# KiCad board Marble.kicad_pcb (continued)
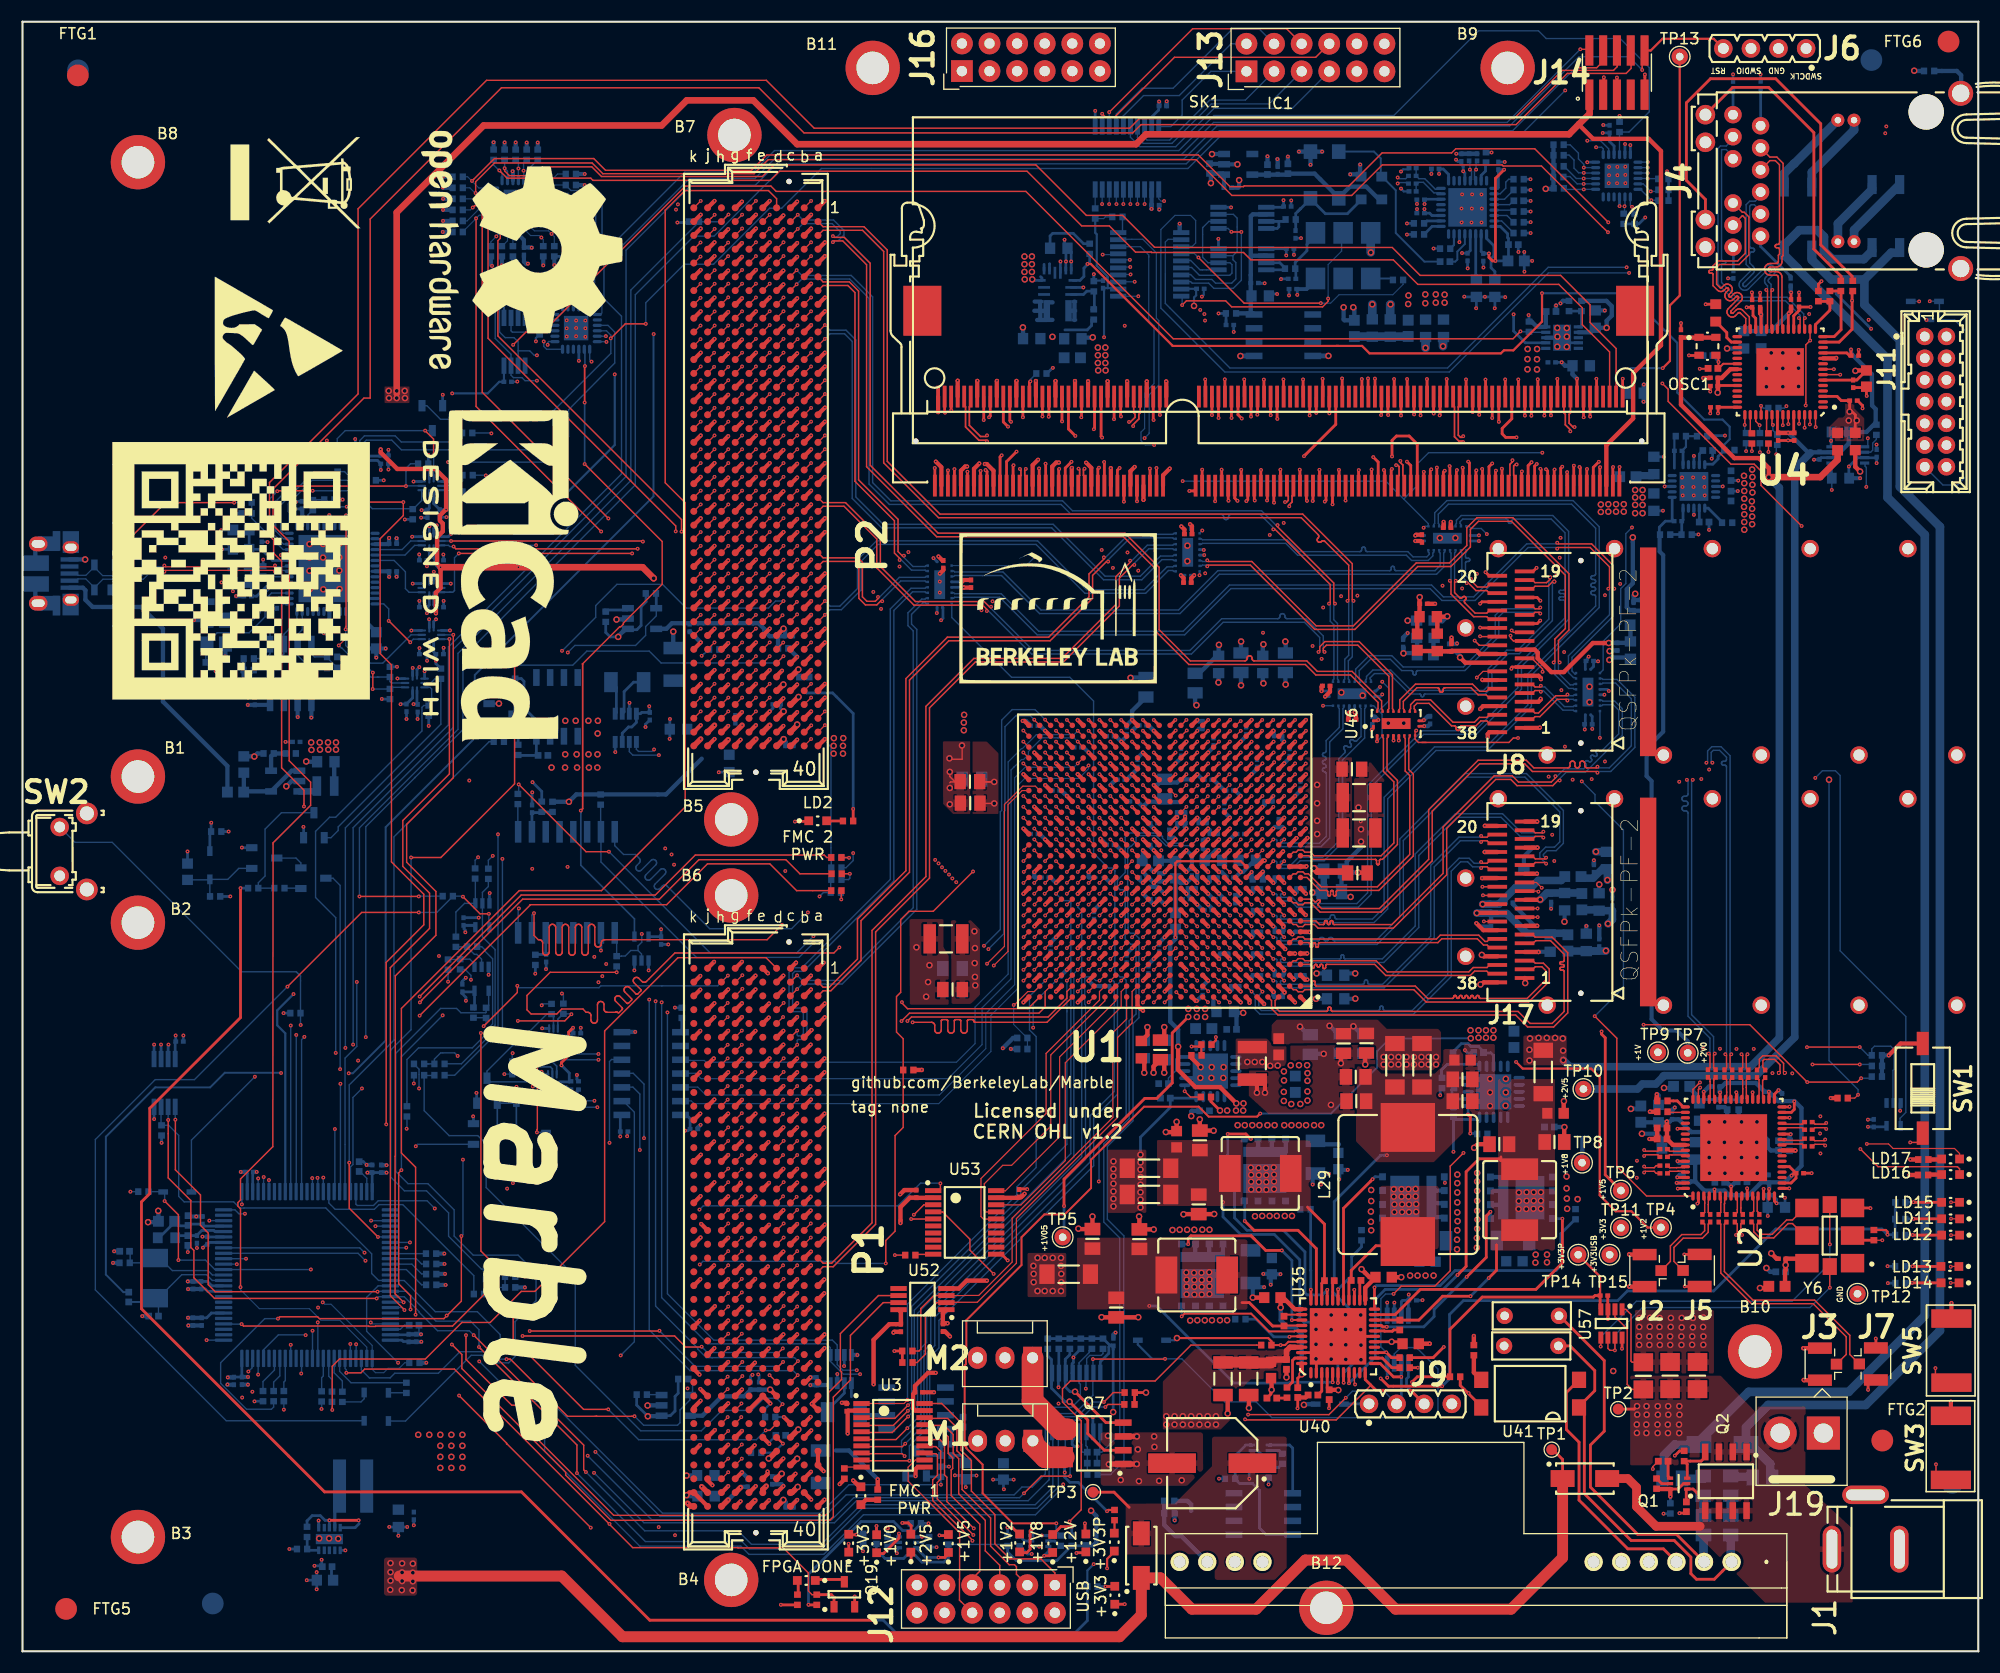
[diagram p0: board, top side]
## Routing (per net, layer and track width the routed paths; a pad name or vN(x,y) marks a point on that pad's centre or on a via; arc(x,y) is an arc through that point) (continued)
  Top w0.4: v1(139.4,76.38) 139.4,76.37 138.27,76.37 ; v1(134.59,75.98) 134.6,75.97 135.76,75.97 ; 135.76,71.17 134.34,71.17 v1(134.33,71.17) ; v1(139.4,66.78) 139.4,66.77 138.27,66.77 ; 135.76,63.97 134.49,63.97 134.49,63.97 ; 138.27,64.37 139.52,64.37 v1(139.53,64.36) ; 134.49,61.57 134.49,61.57 135.76,61.57 ; 138.27,73.97 139.42,73.97 v1(139.43,73.98) ; 135.76,73.57 134.58,73.57 v1(134.58,73.57) ; 122.93,71.67 123.3,71.67 ; 110.92,23.23 v2(110.92,21.89) ; v2(102.69,30.75) 102.68,30.74 C160.2 99.32,30.74 v2(99.31,30.75) ; v2(133.6,46.35) 133.93,46.68 134.76,46.68 ; v1(80.16,29.33) 80.24,29.41 C20.2 ; 169.77,116.47 C57.2 ; C293.2 v1(130,96.42) ; C376.2 C373.2 v1(149.73,47.16) ; v2(98.47,40.02) C152.2 97.22,38.86 v2(97.18,38.9) ; v2(141.87,50.64) 141.84,50.62 C348.2 ; v1(131.52,93.31) 131.52,92.75 C300.2 ; v2(160.95,36.63) 161.45,36.13 C29.2 ; v1(147.87,36.54) 147.89,36.52 J2.2 ; 114.96,25.1 v2(114.96,24.07) ; v2(102.77,40.02) 102.79,40 C346.2 ; C144.2 v2(113.23,32.55) ; v2(105.23,47.79) 105.24,47.78 106.22,47.78 v2(106.22,48.73) ; v2(169.12,108.59) 168.68,109.04 C42.1 ; C361.2 v2(126.89,34.43) ; v2(112.87,22.39) 112.87,23.53 ; v1(166.93,119.05) 166.89,119.01 U4.10 ; R34.2 149.79,49.66 v1(149.78,49.67) ; U52.4 86.18,33.39 86.9,34.12 v1(88.76,34.12) ; J3.2 163.91,27.9 v1(163.9,27.9) ; v2(108.35,48.96) C154.2 109.61,47.93 v2(109.62,47.92) ; C281.2 103.24,54.31 v2(103.24,53.25) ; v2(105.08,53.26) 105.08,54.1 C287.2 104.1,53.83 v2(104.1,53.25) ; v1(129.51,28.31) 129.51,28.31 C127.2 ; C346.2 102.77,38.86 ; C346.2 104.1,38.84 v2(104.11,38.83) ; LD1.1 77.04,15.14 v1(76.45,15.73) ; C156.2 141.89,48.24 v2(141.91,48.25) ; R33.2 150.42,50.71 v1(150.42,51.27) ; 138.27,61.97 138.3,61.94 v2(138.3,61.51) ; v2(109.67,40.25) 109.66,40.24 C194.2 106.87,40.24 v2(106.85,40.22) ; v1(80.77,42.06) 81.16,42.45 C318.2 ; v2(131.13,95.27) 131.09,95.23 C297.2 130.21,95.2 C303.2 ; v1(85.36,28.98) 84.9,29.43 C21.2 ; v1(147.88,33.57) 147.88,33.57 J2.2 ; v1(163.93,24.98) 163.96,24.95 J3.2 ; 155.34,117.2 v1(154.7,117.2) ; C137.2 v2(116.33,25.21) ; v1(133.58,29.02) R281.2
  Top w0.5: 102.59,17.22 102.57,17.24 Q7.1 100.03,17.24 ; Q7.3 102.57,19.78 102.59,19.76
  Bottom w0.127: R138.2 v1(9.93,42.31) ; C193.2 175.29,122.55 175.29,122.55 ; C307.1 36.49,29.29 36.45,29.25 ; 108.7,101.4 v1(108.72,101.37) ; D15.2 v1(174.56,124.25) 174.56,124.25
  Bottom w0.13: v1(73.35,69.48) 73.71,69.84 R285.2 74.38,70.98 R284.2
  Bottom w0.178: C375.2 153.4,119.26 v1(153.38,119.29)
  Bottom w0.2: v1(46.33,124.15) 46.26,124.08 U59.4 ; C317.2 98.66,126.17 R27.2 ; v1(45.03,124.66) 45.03,124.65 C415.2 ; C412.2 45.51,116.86 v1(45.54,116.88) ; v1(67.38,18.96) 67.05,18.63 R10.1 ; R22.1 127.12,134.38 v1(126.87,134.64) ; v1(68.73,19.09) 68.73,19.24 69.33,19.85 C61.2 ; R9.1 68.35,22.32 v1(68.83,22.81) ; v1(126.87,136.21) 127.07,136.41 127.61,136.41 ; v1(108.54,124.69) 108.72,124.86 108.72,125.42
  Bottom w0.254: v1(36.52,90.59) 36.3,90.37 U24.2 ; 36.36,86.5 v1(36.36,85.82) ; C178.2 v1(35.34,85.82) ; U16.8 110.07,130.01 v1(110.06,130.02) ; C112.2 117.01,128.55 v1(117.02,128.54) ; v1(111.23,132.91) 111.22,132.92 U19.8 ; C108.2 115.85,126.33 v1(115.83,126.31) ; C117.2 116.76,133.54 v1(116.77,133.55) ; U31.4 142.16,120.45 U31.11 ; v1(141.66,118.65) 141.65,118.64 C25.2 ; C110.2 111.47,121.45 v1(111.48,121.45) ; 114.71,124.95 115.45,124.95 v1(115.47,124.93) ; C175.2 22.53,102.12 v1(22.55,102.1) ; v1(132.25,129.71) 132.25,129.71 U20.22 ; v1(122.6,86.43) 122.61,86.43 U48.5 ; U47.13 v1(151.14,107.22) ; U58.17 96.02,127.92 v1(96.03,127.93) 96.03,129.01 C411.2 ; v1(59.43,65.07) 59.43,65.07 C78.2 ; 43.73,87.21 43.72,87.22 Q9.2 ; 132.44,137.84 131.96,137.84 v1(131.96,137.85) ; U15.2 37.84,99.35 v1(37.86,99.37) ; U10.3 42.9,62.27 v1(42.9,62.27) ; v1(57.63,62.68) 57.62,62.69 U11.1 ; v1(37.42,95) 37.44,94.98 U25.1 ; v1(146,88.4) 145.85,88.54 145.18,88.54 ; C73.2 155.55,109.86 v1(155.47,109.78) ; C411.2 96.52,128.81 v1(96.52,127.93) 96.52,127.93 U58.18 ; C411.2 96.17,129.29 95.91,129.56 v1(95.91,129.94) ; C76.2 150.97,104.98 v1(150.98,104.99) ; v1(46.92,79.07) 46.9,79.05 C38.2 ; v1(48.18,62.79) 48.19,62.8 C39.2 ; v1(134.05,102.2) 134.04,102.2 U50.11 ; R101.1 v1(138.79,135.5) ; C77.1 155.22,103.23 v1(155.22,103.22) ; v1(132.75,55.34) 133,55.09 133.57,55.09 ; U23.41 31.25,96.91 U23.57 ; v1(80.47,9.03) 80.47,9.33 80.66,9.52 ; C123.2 137.66,128.83 v1(137.68,128.81) ; 131.56,50.91 131.63,50.84 U36.12 ; 131.56,50.91 131.56,51.68 C393.2 ; 131.56,50.91 131.56,50.24 C139.2 ; C132.2 33.77,11.43 v1(33.75,11.45) ; C132.2 v1(34.59,10.63) ; C132.2 35.39,11.43 v1(35.4,11.45) ; U12.11 98.72,141.79 v1(98.73,141.8) ; v1(128.85,32.32) 128.83,32.3 C192.1 ; v1(143.79,84.85) 143.77,84.87 C290.2 143.83,85.4 143.83,86.19 ; 86.79,16.18 85.82,16.18 v1(85.81,16.2) ; 86.79,16.18 86.79,15.13 v1(86.81,15.1) ; 86.79,16.18 87.79,16.18 v1(87.79,16.18) ; 54.68,94.99 v2(54.67,94.97) ; v1(55.65,47.41) 55.65,47.77 C320.2 ; 138.17,133.52 138.79,133.52 v1(138.8,133.51) ; R212.2 110.12,15.88 v1(110.12,15.89) ; U29.4 v1(125.6,25.19) ; C72.2 v1(151.06,109.96) ; v1(25.85,75.89) 25.87,75.87 Q24.2 ; v1(36.69,104.35) 36.69,104.35 C182.2 ; v1(16.56,38.17) 16.56,38.16 17.02,38.16 17.04,38.14 U54.20 ; 165.29,109.69 v1(164.88,109.69) ; v1(55.86,87.3) 55.85,87.29 U32.3 ; C74.2 157.86,106.79 v1(157.87,106.8) ; U9.1 46.99,52.01 v1(46.96,51.98) ; U47.18 v1(153.83,110.03) ; v1(38.12,103.64) 37.85,103.36 37.85,102.91 U38.2 ; v1(54.56,82.77) 54.55,82.78 U32.8 ; v1(25.15,105.78) 25.22,105.85 C164.2 ; U7.3 42.98,69.77 v1(43,69.79) ; U50.20 128.19,102.2 v1(128.19,102.2) ; C121.2 134.61,124.67 v1(134.6,124.68) 134.58,124.67 C120.2 ; C121.2 136.44,124.67 v1(136.46,124.64) ; C121.2 135.51,123.64 v1(135.5,123.63) ; 156.7,111.9 155.14,111.9 155.11,111.93 ; U34.24 147.98,138.64 v1(147.98,138.64) ; v1(124.94,88.76) 124.57,88.39 U48.20 ; C343.2 v1(89.33,15.8) ; C343.2 91.22,15.8 v1(91.22,15.8) ; C343.2 90.28,14.95 v1(90.32,14.91) ; U33.1 29.84,109.62 29.82,109.6 v1(29.63,109.6) ; U39.23 51.7,124.57 v1(51.71,124.58) ; C168.2 v1(18.36,101.44) ; v1(146.98,133.03) 146.98,133.03 U34.9 ; 82.24,10.52 82.77,10.52 v1(82.79,10.54) ; C212.2 51.38,55.66 v1(51.36,55.64) ; v1(39.47,107.69) 39.46,107.68 U26.3 ; C8.2 69.07,86.81 v1(68.77,86.52) ; R21.1 21.36,23.02 v1(21.35,23) ; 57.35,85.09 v1(57.34,85.08) 57.34,85.33 C351.2 ; U34.18 144.02,137.07 v1(144.01,137.07) ; U11.3 56.32,62.69 v1(56.31,62.68) ; R97.1 127.43,131.44 v1(127.42,131.43) ; C310.2 v1(16.05,37.13) ; 106.98,99.05 v1(106.61,99.05) ; R272.1 v1(18.97,75.45) ; C129.2 27.09,5.72 v1(27.07,5.71) ; C129.2 v1(26.16,6.54) ; C129.2 27.09,7.27 v1(27.07,7.28) ; v1(156.97,126.38) 156.98,126.37 C352.2 ; C109.2 117.66,130.07 v1(117.67,130.08) ; v1(47.83,57.34) 47.84,57.33 U8.3 ; C215.2 145.52,140.46 v1(145.49,140.5) ; v1(29.72,9.29) 29.71,9.3 U18.1 ; 130.48,51.68 v1(130.48,51.19) ; v1(157.9,107.76) 157.9,107.77 C70.2 ; C342.2 51.41,125.93 v1(51.43,125.95) ; U39.9 51.2,118.79 v1(51.2,118.79) ; C120.2 132.72,124.67 v1(132.69,124.69) ; C120.2 133.81,123.65 v1(133.78,123.63) ; v1(31.67,44.77) 31.37,45.07 C309.1 ; C184.2 36.53,100.95 v1(36.51,100.97) ; v1(52.19,124.58) 52.2,124.57 U39.24 ; v1(98.6,126.76) 98.6,126.34 ; R181.2 114.68,15.36 v1(114.68,15.36) ; 84.18,100.29 84.18,100.29 v1(83.84,100.63) ; U29.5 v1(125.6,32.1) ; v1(12.11,48.99) 12.1,49 U28.4 ; 108.33,101.4 108.7,101.4 ; v1(67.71,25.48) 67.79,25.41 C65.2 ; U30.10 v1(53.24,64.51) ; R99.1 138.79,131.54 v1(138.8,131.55) ; v1(67.18,25.44) 67.15,25.44 67,25.29 C66.2 ; C124.2 128.34,132.39 v1(128.34,132.76) ; 40.56,67.55 40.59,67.53 v1(41.99,67.53) ; v1(40.8,62) 40.46,61.66 40.46,61.36 ; 113.92,125.92 v1(114.32,125.92) ; U54.74 35.55,29.14 35.6,29.18 ; C355.2 36.53,96.68 v1(36.52,96.69) ; U9.3 47.99,53.11 47.77,53.33 v1(47.77,53.34) ; U17.3 74.98,25.51 v1(74.99,25.52) ; U47.3 v1(156.48,107.22) ; v1(97.1,18.86) 96.8,18.86 96.61,19.05 96.61,20.2 ; v1(19.36,97.58) C167.2 v1(18.31,98.39) ; v1(159.97,145.16) 159.97,145.15 C59.2 ; U6.2 165.55,109.87 C44.2 ; U48.11 119.56,88.39 v1(119.56,88.38) ; v1(72.58,90.33) 72.41,90.15 C5.2 ; v1(93.57,9.63) 93.55,9.65 92.88,9.65 ; 129.68,136.49 129.68,136.01 ; v1(51.03,53.05) 51.03,52.64 51.2,52.47 ; R110.2 v1(24.56,9.41) ; U18.6 27.26,12.02 v1(27.25,12.03) ; C126.2 134.44,127.39 v1(134.46,127.37) ; v1(51.05,51.2) 51.05,51.63 51.15,51.73 ; C308.2 v1(15.21,36.74) ; U25.2 37.84,94.78 v1(38.06,95) ; v1(59.56,83.99) 59.57,84 59.57,85.8 v1(59.59,85.82) ; v1(44.29,84.34) 44.31,84.33 R201.2 ; 84.18,96.09 84.18,95.6 v1(84.15,95.57) 84.15,95.65 ; v1(82.19,16.12) 82.17,16.14 Q8.2 ; U33.3 30.64,111.57 v1(30.62,111.59) ; U24.3 37,90.21 v1(37,90.21) ; R96.1 127.43,130.42 v1(127.42,130.41) ; v1(98.51,21.55) 98.51,21.55 98.51,20.2 ; C11.2 65.9,86.14 v1(66.22,86.45) ; v1(133.01,127.3) 133,127.31 C125.2 ; v1(136.41,137.09) 136.41,137.08 C210.2 ; C356.2 38.75,96.68 v1(38.76,96.69) ; 170.64,110.67 v1(170.64,111.07) ; R188.2 85.26,17 v1(85.26,17) ; U25.3 39.34,93.96 v1(39.34,93.97) ; v1(36.54,92.34) 36.53,92.34 C180.2 ; R120.1 v1(22.15,100.49) ; U38.3 39.2,102.6 v1(39.44,102.85) ; R116.2 19.45,104.74 v1(19.43,104.77) ; C206.2 16.83,33.35 17.04,33.14 U54.10 ; v1(169.85,48.94) 170.38,48.94 170.41,48.91 ; C360.2 v1(15.19,73.63) ; v1(12.11,55.85) 12.1,55.84 U28.5 ; Q6.2 38.67,115.65 v1(38.68,115.66) ; v1(126.26,32.1) 126.25,32.09 U29.6 ; U50.5 130.89,103.92 130.85,103.97 v1(130.79,103.97) ; v1(128.34,133.23) 128.34,133.61 C116.2 ; v1(33.68,110.59) 33.67,110.59 C186.2 ; 172.8,50.45 172.8,49.76 v1(172.81,49.75) ; v1(39.42,98.28) 39.41,98.28 U15.3 ; 119.34,44.07 119.45,43.96 ; v1(20.19,73.98) 20.21,73.97 Q18.2 ; v1(65.96,80.94) 65.95,80.93 C12.1 64.09,80.93 v1(64.08,80.91) ; 20.68,42.31 20.68,43.99 C198.2 ; 38.75,91.79 38.75,92.36 v1(38.76,92.37) ; U38.10 35.87,102.6 v1(35.86,102.59) ; U47.8 v1(153.83,104.61) ; v1(151.03,12.67) 151.65,12.67 R104.2 ; v1(93.81,10.66) 93.82,10.65 94.46,10.65 ; C213.2 51.38,57.39 v1(51.38,57.39) ; v1(14.81,56.68) 14.8,56.68 C191.1 ; v1(75.61,26.25) 75.63,26.27 U17.7 ; v1(41.48,49.24) 41.51,49.21 Q5.2 ; Q17.2 41.8,51.38 v1(41.78,51.4) ; 106.98,103.25 106.95,103.25 v1(106.65,103.55) ; C133.2 v1(36.01,11.6) ; 143.83,90.39 143.83,91.07 143.89,91.13 143.89,91.13 144.02,91.25 144.02,91.43 v1(144.14,91.56) ; U23.10 23.79,100.91 v1(23.78,100.9) ; C115.2 116.57,124.81 v1(116.56,124.81) ; R102.1 v1(138.79,134.51) ; v1(86.41,98.39) 86.36,98.44 85.53,98.44 ; R100.1 v1(138.8,130.55) ; U58.16 95.52,127.92 v1(95.53,127.93) ; v1(27.53,8.42) 27.54,8.42 27.54,7.86 v1(26.87,7.86) ; C185.2 39,104.39 v1(39.01,104.4) ; C187.2 38.75,100.94 v1(38.73,100.96) ; R98.1 v1(138.8,132.53) ; v1(33.68,108.78) 33.67,108.78 C183.2 ; v1(162.2,41.75) 162.21,41.74 162.21,40.94 162.21,41 161.97,41.24 v1(161.44,41.24) 161.44,41.59 161.1,41.93 ; 153.65,102.81 v1(154.25,102.81) ; 96.62,20.13 96.62,19.34 ; C166.2 v1(24.2,83.71) ; C58.2 v1(157.43,145.16)
  Bottom w0.381: v1(20.75,24.54) 20.74,24.55 C203.2 ; R144.2 v1(38.82,36.6) ; C199.2 v1(15.99,40.02) 15.28,40.02 15.24,40.06 ; 8.98,35.75 v1(8.33,35.75) ; R146.2 v1(38.83,35.65) ; C219.2 113.97,67.88 v1(114.12,67.73) ; v1(112.12,68.73) 111.97,68.88 C248.2 ; C269.2 108.62,68.23 v1(108.12,68.73) ; C271.2 104.47,74.38 v1(104.12,74.73) ; C261.2 109.62,83.23 v1(109.12,82.73) ; v1(102.12,80.73) 102.62,81.23 C389.2 ; v1(94.12,63.73) U1.E24 C258.2 ; C262.2 93.62,75.23 v1(94.12,74.73) ; C256.2 111.62,75.23 v1(111.12,74.73) ; C387.2 100.62,84.23 v1(101.12,83.73) 101.64,84.25 C388.2 ; C260.2 98.62,68.23 v1(99.12,68.73) ; C231.2 107.27,69.88 v1(107.12,69.73) 107.47,69.38 C277.2 ; v1(117.12,78.73) 117.62,79.23 C338.2 ; v1(116.12,75.73) 115.97,75.88 C391.2 115.27,75.88 v1(115.12,75.73) ; C336.2 113.62,81.23 v1(113.12,80.73) ; C250.2 100.62,74.23 v1(101.12,73.73) ; 109.47,80.23 109.62,80.23 v1(110.12,79.73) 110.62,79.23 110.77,79.23 ; C234.2 117.97,69.88 v1(118.12,69.73) ; v1(94.12,84.73) 93.62,85.23 93.47,85.23 ; 109.97,75.23 109.97,75.58 v1(110.12,75.73) ; v1(98.12,82.73) 97.62,83.23 97.47,83.23 ; C333.2 U1.E14 v1(104.12,63.73) 103.62,63.23 C335.2 ; v1(114.12,63.73) 113.97,63.88 C217.2 ; C275.2 104.62,69.23 v1(105.12,68.73) ; C264.2 U1.M7 v1(112.12,71.73) 112.32,71.73 113.37,72.79 v1(114.32,72.79) ; C390.2 v1(103.12,77.73) ; C392.2 108.62,61.23 v1(109.12,61.73) ; C279.2 104.47,76.38 v1(104.12,76.73) ; C221.2 113.97,61.88 v1(114.12,61.73) ; C245.2 94.62,71.23 v1(95.12,70.73) ; v1(111.12,63.73) 110.97,63.88 110.97,64.23 ; v1(109.12,69.73) U1.K9 C267.2 ; C337.2 111.97,60.88 v1(112.12,60.73) ; C332.2 116.62,82.23 v1(116.12,81.73) ; v1(112.12,83.73) 112.62,84.23 C334.2 ; C381.2 113.97,69.88 v1(114.12,69.73) ; C249.2 U1.D17 v1(101.12,62.73) ; C229.2 109.97,70.88 v1(110.12,70.73) ; C4.2 113.97,65.88 v1(114.12,65.73) ; v1(115.12,70.73) 115.27,70.88 C380.2 ; v1(109.12,76.73) 108.97,76.58 C223.2 ; 109.37,136.92 110.55,136.92 U13.2 v2(111.81,136.87) ; 137.17,68.91 137.17,68.76 139.16,66.78 v1(139.4,66.78) ; C404.2 v1(140.68,68.35) ; v1(139.43,73.98) 138.99,73.98 138.18,73.16 C408.2 ; C401.2 145.1,70.57 v2(145.12,70.59) ; C407.2 141.93,67.17 v2(141.92,67.16) ; v2(146.34,70.09) 146.32,70.08 146.32,69.43 ; v1(139.53,64.36) 139.55,64.39 C409.2 ; R142.2 v1(46.24,33.49) ; 35.6,29.18 36.67,29.18 v1(36.67,29.18) ; v1(133.8,67.02) 134.11,66.72 135.13,66.72 C406.2 ; v1(34.43,102.45) 34.43,102.45 C176.2 ; 108.64,74.58 108.78,74.73 v1(109.12,74.73) ; v1(18.64,91.58) 18.68,91.62 Y4.2 ; v1(15.24,33.34) 15.24,33.35 C206.2 ; v2(119.76,54.99) 118.39,54.99 118.27,54.87 ; C321.2 62.15,48.19 v1(62.41,48.45) ; C171.2 17.77,90.23 v1(17.79,90.21) ; v1(28.23,104.57) 28.25,104.56 U23.21 ; C170.2 27.73,93.72 v1(27.72,93.73) ; 95.62,61.38 95.62,61.23 95.12,60.74 v1(95.12,60.74) ; R137.2 v1(37.16,26.56) ; U37.21 108.67,52.76 U37.12 ; R127.2 v1(29.46,106.01) ; v1(103.12,73.73) 103.11,73.72 103.11,72.74 v1(104.12,71.73) ; R297.2 171.14,53.87 R298.2 171.14,53.89 R299.2 v1(171.76,54.86) ; R43.2 v1(44.12,127.57) ; C197.2 33.02,44.75 v1(33.5,44.75) ; v1(98.12,71.73) 98.12,71.27 98.16,71.23 98.77,71.23 ; 38.08,34.74 v1(38.88,34.74) ; v1(19.66,97.13) 19.67,97.12 C174.2 ; U23.45 30.75,94.86 v1(30.74,94.86) ; C198.2 v1(20.09,44.12) ; v1(118.46,66.19) 118.01,66.19 C232.2 ; v1(114.27,33.52) 113.41,33.52 C151.2 113.23,33.69 v2(113.23,32.55) ; v1(15.26,29.99) 15.27,29.99 C201.2 ; v1(34.43,98.91) 34.43,98.92 C177.2 ; C153.2 119.02,43.96 v1(120.24,43.96) ; C153.2 119.5,43.47 v1(119.5,42.97) ; C153.2 118.74,43.73 v1(118.74,42.97) ; C225.2 122.65,60.06 v2(122.67,60.07) ; C291.2 124.48,86.03 124.77,85.73 124.77,85.73 ; C230.2 117.97,62.11 v1(118.25,61.82) ; C247.2 95.6,79.23 95.87,78.96 95.9,78.96 v1(96.12,78.73) ; v1(31.67,44.77) 32.19,44.77 C208.2 ; C251.2 98.62,61.23 v1(98.12,61.73) ; C92.2 v1(11.02,30.85) ; 121.65,62.4 v2(122.66,62.4) ; v1(26.58,85.94) 26.59,85.96 U21.5 ; v1(100.6,29.34) 100.4,29.15 C190.2 ; v1(45.11,136.24) 45.14,136.21 U5.9 ; v1(18.87,24.55) 18.87,24.54 18.87,24.53 C209.2 ; C165.2 v1(16.56,96.61) ; C173.2 v1(32.56,91.47) ; C173.2 33.42,92.31 v1(33.42,92.31) ; C173.2 v1(31.58,92.31) ; Y4.4 15.79,94.92 v1(15.78,94.92) ; v1(121.18,43.45) 121.18,44.3 C161.2 121.17,44.31 v1(121.97,44.31) ; v1(20.76,87.81) 20.77,87.82 C163.2 ; v1(46.51,127.73) 46.34,127.73 46.15,127.91 C40.1 ; 9,36.82 v1(8.43,36.82) ; v1(115.77,34.71) 115,34.71 C159.2 ; C169.2 22.89,96.01 v1(22.87,95.99) ; v2(111.97,135.42) 111.97,134.81 111.88,134.71 C80.2 ; C159.2 114.88,34.6 v1(114.88,33.75) ; C159.2 114.94,34.74 v1(114.2,34.74) ; v1(110.12,73.73) 110.12,73.73 109.82,73.73 108.9,72.81 108.83,72.81 108.83,72.02 v1(109.12,71.73) ; R44.2 v1(45.13,127.57) ; 38.29,33.75 38.31,33.72 v1(38.94,33.72) ; v1(128.98,85.72) 129.33,86.07 C23.2 ; R42.2 v1(51.74,130.9)
  Bottom w0.4: v2(9.24,97.7) 9.24,97.7 D13.1 ; J10.5 5.76,100.5 v2(5.76,100.5) ; J10.6 1.18,101.66 J10.6 ; J10.6 1.18,96.74 J10.6 ; 116.26,91.89 116.26,92.92 ; v1(145.62,123.41) 145.61,123.43 C22.2 ; U31.8 U31.11 ; C24.2 141.13,123.88 v1(141.14,123.88) ; 160.45,35.33 v2(160.5,35.28) 160.85,34.93 C28.2 ; C366.2 159.5,44 v2(159.66,44) 159.81,43.85 C326.2 ; v2(141.91,48.25) 141.89,48.26 C382.2 ; R12.1 64.36,92.22 v1(64.94,92.8) ; C68.1 61.12,16.18 v2(61.11,16.17) ; U17.8 76.83,27.27 v1(76.83,27.27) ; C403.2 143.92,66.76 v1(143.93,66.76) ; C253.2 102.01,89.64 v2(101.98,89.6) ; C322.1 155.19,46.87 v2(155.21,46.85) ; v1(71.29,13.94) 70.95,13.59 C63.2 ; C301.2 131.99,92.73 v1(132.03,92.77) ; v2(114.21,92.69) 114.15,92.63 C280.2 ; v2(110.12,92.64) 110.08,92.61 C282.2 109.92,91.64 108.3,90.02 C386.2 ; 106.47,130.65 106.5,130.67 v1(106.5,131.41) ; C357.2 161.93,51.34 v1(161.62,51.65) ; v2(98.5,120.95) 98.47,120.92 97.47,120.92 ; v2(146.05,91.25) 146.27,91.48 147.99,91.48 ; v2(112.15,92.95) 112.14,92.94 C286.2 ; C162.2 21.32,82.38 v2(21.33,82.36) 21.61,82.64 R119.2 ; C17.2 108.24,85.61 v1(108.12,85.73) ; C16.2 101.62,80.23 v1(102.12,80.73) ; C7.2 70.93,83.55 v1(71.29,83.91) ; v2(112.35,58.77) 111.47,58.77 111.73,58.51 C383.2 ; v1(104.62,132.72) 104.61,132.72 C312.2 ; C257.2 106.63,82.24 v1(106.12,81.73) ; C299.2 146.14,92.13 v2(146.07,92.07) ; C60.2 162.73,125.11 v1(162.77,125.08) ; C142.2 107.63,49.75 107.57,49.69 v2(107.57,49.27) ; v1(70.03,15.21) 69.85,15.38 C64.2 ; 149.44,97.39 148.82,96.76 148.31,96.76 148.28,96.73 C295.2 148.28,97.19 v2(148.43,97.34) ; U22.2 24.76,80.1 v2(24.28,79.62) ; C370.1 150.57,51.17 150.47,51.27 v1(150.42,51.27) ; C315.2 105.31,142.24 v1(105.31,142.67) ; v1(115.13,84.73) 115.13,84.33 C14.2 ; C18.2 114.33,77.94 v1(114.12,77.73) ; v1(115.12,62.73) 115.27,62.58 C238.2 ; U36.12 134.74,50.84 U36.21 ; v1(141.66,118.65) 141.98,118.33 C26.2 142.66,117.54 v1(143.06,117.14) ; 123.55,53.99 123.54,54.01 C270.2 ; v1(162.73,47.59) 162.63,47.49 C367.2 162.61,47 C368.2 ; v2(160.94,119.52) 160.44,119.52 C47.1 ; v1(154.73,51.5) 155.22,51.98 C329.2 ; R30.2 141.78,124.3 v1(141.55,124.07) ; C67.2 66.74,15.95 v1(66.22,16.48) ; C172.2 26.13,81.88 v2(26.11,81.91) ; 121.56,71.66 121.59,71.68 v2(122.91,71.68) ; 121.56,71.66 121.88,71.97 121.88,72.7 123.19,74.01 v2(123.19,74.53) ; 121.56,71.66 121.39,71.49 121.39,69.97 ; C364.2 155.76,43.34 155.26,43.83 v2(155.26,44) ; v1(71.29,94.07) 70.88,93.66 C10.2 ; R165.1 174.13,145.47 v2(174.1,145.49) ; v1(72.51,25.21) 72.52,25.21 C136.2 ; 92.09,120.92 92.09,121.85 v2(92.07,121.86) ; 132.44,137.84 132.45,137.85 133.88,137.85 133.89,137.84 ; v2(158.21,48.73) 157.95,48.99 C372.2 ; 59.89,92.74 59.89,93.86 v2(59.89,93.86) ; 61.39,93.85 61.43,93.85 v1(62.42,92.87) ; v1(115.12,66.73) 115.27,66.58 C228.2 ; C19.2 110.61,77.24 v1(111.12,76.73) ; 106.28,76.23 106.28,75.89 v1(106.12,75.73) 105.97,75.58 105.61,75.58 ; R222.2 91.54,55.44 v1(90.96,55.44) ; 55.73,94.99 54.68,94.99 ; C216.2 107,77.21 v1(107,76.83) ; v1(152.3,43.63) 152.52,43.85 C325.2 ; 127.48,93.73 127.48,93.73 127.07,93.32 C294.2 ; 175.61,122.55 v1(175.23,122.55) ; v2(156.66,48.73) 156.89,48.96 C371.2 156.67,50.08 C327.2 ; U43.2 57.54,22.63 v2(57.53,22.62) ; 154.33,48.92 155.04,48.92 v2(155.24,48.73) ; C15.2 103.62,85.23 v1(104.12,84.73) ; v1(152.07,50.05) 151.81,49.8 C369.2 ; C399.2 v1(144.62,72.81) ; v2(131.13,95.27) 130.68,94.82 129.86,94.82 129.81,94.87 ; C268.2 121.35,54.12 121.34,54.1 121.31,54.1 ; C296.2 127.48,94.87 v2(127.48,94.87) ; 145.12,65.6 145.12,65.6 v1(145.12,66.82) ; v2(61.11,14.37) 61.2,14.28 62.11,14.28 ; 55.27,57.01 v1(56.39,57.01) ; C273.2 102.78,71.08 v1(103.12,70.73) ; 105.11,70.73 105.11,70.76 104.97,70.89 C218.2 ; v1(115.15,60.68) 115.15,60.35 C236.2 ; v1(149.22,116.6) 149.21,116.59 C27.2 149.21,115.04 v1(149.2,115.03) ; v1(106.04,12.06) 106.03,12.07 R198.2 ; 121.29,69.97 121.33,69.97 121.85,69.45 122.22,69.45 v2(122.23,69.44) ; v1(103.12,77.73) 103.6,78.21 104.35,78.21 104.38,78.17 106.56,78.17 v1(107.12,78.73)
  Bottom w0.402: C91.2 115.52,137.33 v1(115.5,137.36) ; C81.2 v1(114.58,137.61) ; C107.2 v1(116.46,137.58) ; Y2.2 118.54,136.84 v1(118.54,136.84) ; Y2.2 119.61,138.05 v1(119.61,138.04) ; Y2.2 117.48,138.05 v1(117.48,138.04) ; v1(122.2,135.96) 122.21,135.96 123.11,135.96 123.11,136.84 v1(123.12,136.85)
  Bottom w0.454: 120.17,119.24 118.93,119.24 ; U14.5 112.1,119.24 v2(112.09,119.23)
  Bottom w0.7: 145.55,73.6 144.79,73.6
  Bottom w0.802: C119.2 130.74,120.93 v2(130.74,120.13) ; C111.2 v2(124.23,123.99) ; v2(125.91,123.99) 125.88,123.96 C113.2 ; C118.2 v2(129.13,119.97) ; Y3.3 124.08,128.77
  vias: v1(13.14,100.68) v1(13.22,98.63) v1(50.09,122.52) v1(50.09,121.78) v1(50.09,121.02) v1(50.95,122.49) v1(50.95,121.81) v1(50.95,121.05) v1(51.8,122.49) v1(51.8,121.78) v1(51.8,121) v1(78.31,97.51) v1(79.02,95.95) v1(80.72,99.85) v1(81.53,101.18) v1(84.43,98.47) v1(84.43,97.45) v1(88.26,95.82) v1(89.28,96.65) v1(99.32,101.37) v1(100.35,99.72) v1(101.7,101.15) v1(102.69,99.47) v1(103.12,58.97) v1(108.83,122.49) v1(108.85,99.23) v1(118.73,92.54) v1(119.57,91.35) v1(119.71,96.08) v1(121.36,97.12) v1(122.86,97.17) v1(123.17,76.39) v1(127.48,93.73) v1(129.66,135.99) v1(130.69,98.09) v1(132.49,134.11) v1(132.44,132.8) v1(132.45,131.53) v1(132.5,97.83) v1(133.39,132.8) v1(133.36,131.53) v1(133.42,134.11) v1(133.86,99.18) v1(134.27,134.11) v1(134.28,131.53) v1(134.31,132.8) v1(140.46,80.51) v1(140.79,75.16) v1(140.98,72.75) v1(141.2,99.08) v1(141.48,100.67) v1(141.55,102.49) v1(141.63,88.47) v1(141.89,91.98) v1(142.67,80.23) v1(144.42,80.28) v1(145.64,97.21) v1(145.64,81.91) v1(145.99,135.14) v1(146.02,136.63) v1(146.02,135.87) v1(146.78,136.63) v1(146.78,135.87) v1(146.76,135.14) v1(147.04,98.25) v1(147.52,136.66) v1(147.52,135.9) v1(147.52,135.14) v1(148.59,45.15) v1(148.57,43.59) v1(152.48,80.04) v1(152.74,108.05) v1(152.77,107.17) v1(152.8,106.4) v1(153.75,108.05) v1(153.79,107.17) v1(153.82,106.4) v1(154.51,80.29) v1(154.7,55.45) v1(154.76,108.05) v1(154.79,107.17) v1(154.82,106.4) v1(155.23,81.16) v1(156.23,55.46) v1(156.69,111.9) v1(157.75,55.44) v1(157.96,37.65) v1(159.34,55.45) v1(161.06,53.22) v1(162.88,53.2) v1(164.44,123.09) v1(165.47,49.24) v1(165.44,47.66) v1(165.47,45.83) v2(26.41,101.92) v2(26.41,100.68) v2(26.41,99.46) v2(26.44,97.76) v2(27.3,10.39) v2(27.66,101.92) v2(27.66,100.68) v2(27.66,99.46) v2(27.68,97.76) v2(28.22,10.39) v2(29.05,10.36) v2(29.16,101.95) v2(29.16,100.7) v2(29.16,99.48) v2(29.18,97.78) v2(30.4,101.95) v2(30.4,100.7) v2(30.4,99.48) v2(30.43,97.78) v2(43.85,87.24) v2(82.28,64.8) v2(83.16,60.25) v2(83.34,61.6) v2(83.47,63.15) v2(85.34,79.47) v2(85.34,77.97) v2(99.9,19.83) v2(99.98,17.21) v2(101.08,15.76) v2(102.56,19.78) v2(102.55,17.24) v2(102.65,18.58) v2(102.75,15.66) v2(104.15,19.78) v2(104.18,18.81) v2(104.61,15.69) v2(106.69,15.74) v2(107.21,101.77) v2(107.21,100.35) v2(107.46,30.45) v2(108.12,30.47) v2(108.41,52.78) v2(108.81,30.47) v2(109.45,53.77) v2(109.42,52.78) v2(109.47,30.47) v2(110.21,30.47) v2(110.54,53.77) v2(110.52,52.78) v2(110.87,30.47) v2(113.43,40.05) v2(114.09,40.07) v2(114.78,40.07) v2(115.44,40.07) v2(116.18,40.07) v2(116.23,92.95) v2(116.84,40.07) v2(119.05,30.98) v2(119.05,29.63) v2(119.05,28.26) v2(119.05,26.91) v2(120.19,119.24) v2(120.42,50.29) v2(120.44,30.95) v2(120.44,29.61) v2(120.44,28.24) v2(120.44,26.89) v2(121.38,88.26) v2(121.76,30.98) v2(121.76,29.63) v2(121.79,28.21) v2(121.79,26.86) v2(122.96,77.66) v2(123.19,75.67) v2(123.16,30.95) v2(123.16,29.61) v2(123.19,28.18) v2(123.19,26.84) v2(123.34,87.98) v2(124.1,128.76) v2(124.13,42.46) v2(124.13,41.44) v2(124.1,40.48) v2(124.1,39.54) v2(124.13,38.75) v2(125.7,85.44) v2(127.12,85.44) v2(127.71,34.59) v2(128.39,34.59) v2(129.13,34.59) v2(129.87,34.59) v2(130.45,102.48) v2(131.87,102.48) v2(135.07,52.69) v2(135.07,51.44) v2(135.07,50.2) v2(136.49,50.23) v2(136.52,52.69) v2(136.52,51.44) v2(139.27,36.52) v2(139.24,35.78) v2(140.31,36.52) v2(140.31,35.8) v2(141.25,121.81) v2(141.27,121.01) v2(141.25,120.09) v2(142.13,121.8) v2(142.14,121.02) v2(142.13,120.07) v2(142.11,43.7) v2(142.11,42.61) v2(142.14,41.67) v2(142.16,40.73) v2(143.13,41.62) v2(144.22,88.79) v2(144.22,87.37) v2(144.82,73.6) v2(155.24,45.45) v2(156.64,46.85) v2(156.66,45.45) v2(156.69,44) v2(158.18,46.85) v2(158.21,45.45) v2(158.24,44) v2(159.63,48.73) v2(159.61,46.85) v2(159.63,45.45) v2(160.5,118.09) v2(160.5,116.4) v2(162.01,119.52) v2(162.01,118.09) v2(162.01,116.4) v2(163.46,119.49) v2(163.46,118.11) v2(163.46,116.42)
